# Altium PCB cyber60-mxhs.PcbDoc (part 1 of 4) (continued)
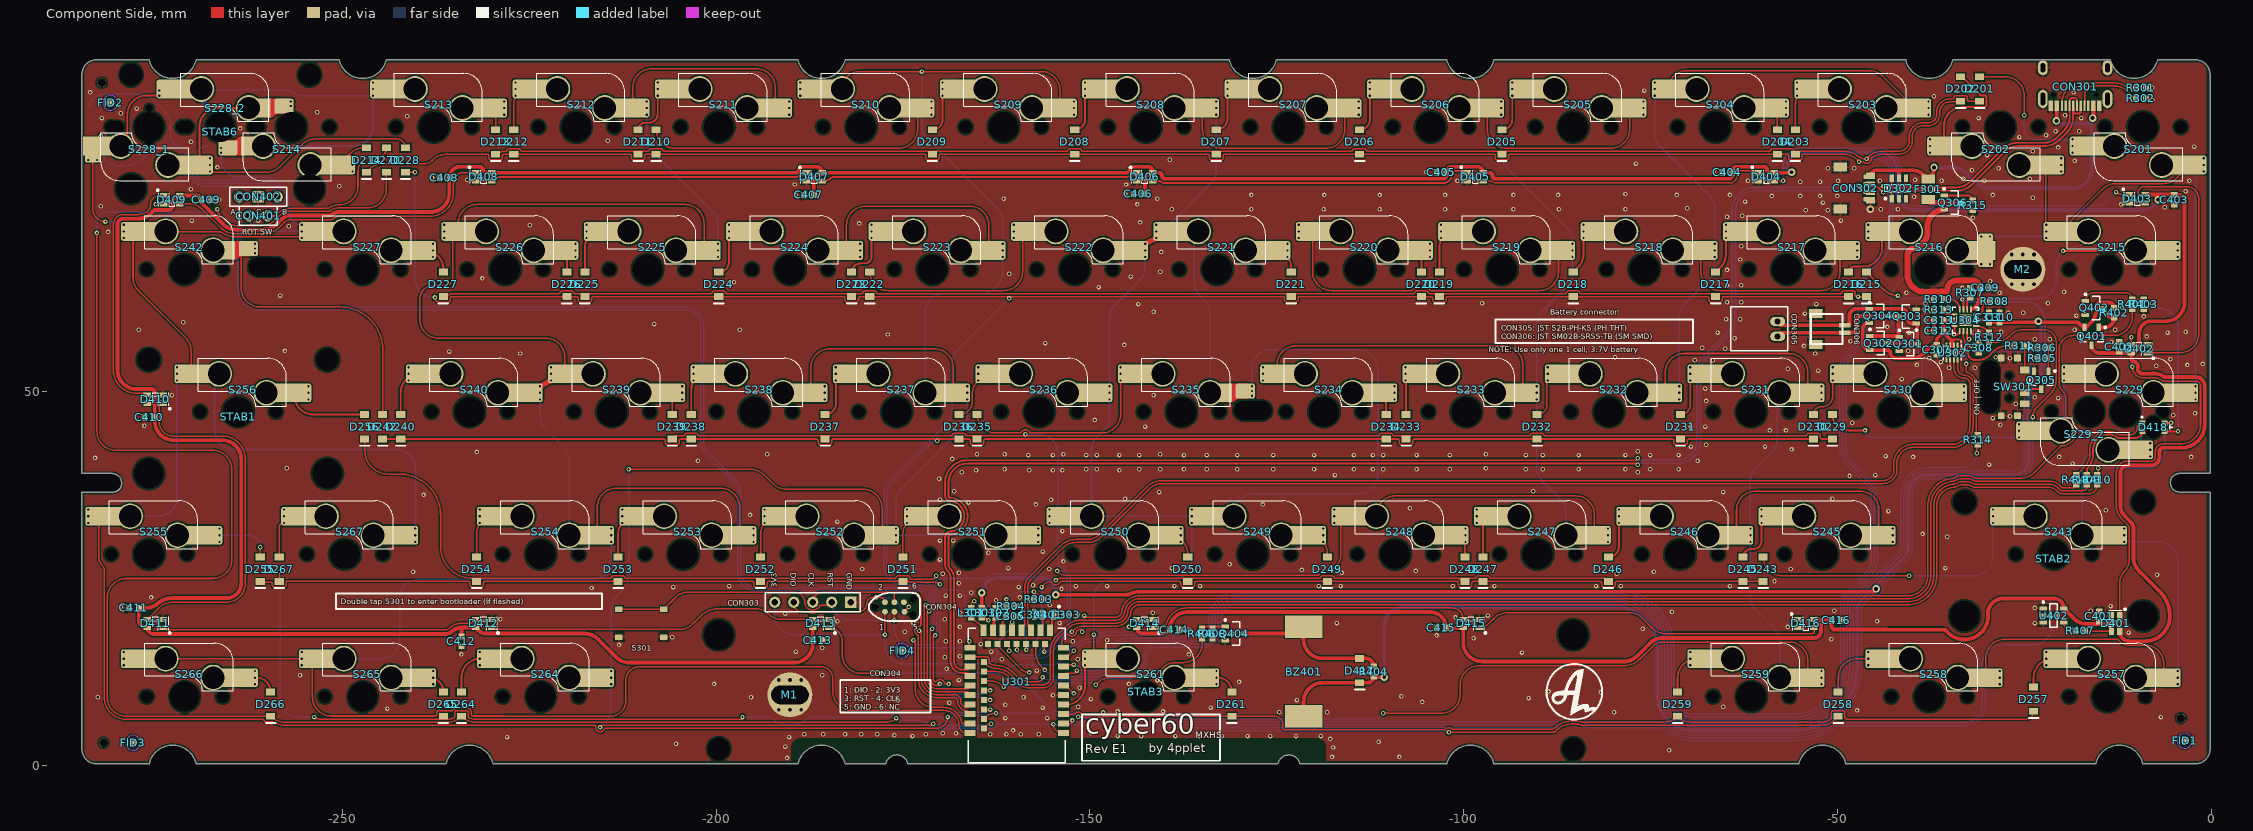
[diagram p0: Component Side view]
## Components (designator, comment, footprint, x,y, rotation, side; value= is the part's Value field where it differs from the comment) (continued)
S254 "MX" "MXHS-switch - 1U Top layer - AS2"#1 -223.463,28.265 r0 top locked
S255 "MX" "MXHS-switch - 1U Top layer - switched pol AS2"#1 -275.85,28.265 r0 top locked
S256 "MX" "MXHS-switch - 1U Top layer - switched pol AS2"#1 -263.95,47.315 r0 top locked
S257 "MX" "MXHS-switch - 1U Top layer - AS2"#1 -13.912,9.215 r0 top locked
S258 "MX" "MXHS-switch - 1U Top layer - AS2"#1 -37.719,9.215 r0 top locked
S259 "MX" "MXHS-switch - 1U Top layer - AS2"#1 -61.537,9.215 r0 top locked
S261 "MX" "MXHS-switch - 1U Top layer - AS2"#1 -142.499,9.215 r0 top locked
S264 "MX" "MXHS-switch - 1U Top layer - switched pol AS2"#1 -223.462,9.215 r0 top locked
S265 "MX" "MXHS-switch - 1U Top layer - switched pol AS2"#1 -247.269,9.215 r0 top locked
S266 "MX" "MXHS-switch - 1U Top layer - switched pol AS2"#1 -271.087,9.215 r0 top locked
S267 "MX" "MXHS-switch - 1U Top layer - AS2"#1 -249.656,28.265 r0 top locked
S301 "SW-PB" "XKB SWITCH" -210,19.05 r180 top
STAB1 "Plug" "Stab 2u" -263.95,47.315 r0 top locked
STAB2 "Plug" "Stab 2u" -21.056,28.265 r0 top locked
STAB3 "Plug" "Stab 7U" -142.499,9.215 r180 top locked
STAB6 "Plug" "Stab 2u" -266.326,85.415 r0 top locked
SW301 "Korean Hroparts Elec K3-1296S-E2" "Korean Hroparts Elec K3-1296S-E2" -27,50.65 r180 top
U301 "E73-2G4M08S1C" E73-2G4M08S1C -159.793,0.356 r0 top locked
U302 "MAX17048" 8TDFN -34.671,55.245 r180 top
U304 "BQ24075" QFN16 -32.893,59.563 r0 top
U401 "EC-11 SMD" EC11-SMD -275.844,85.415 r90 bottom
U402 "SN74LV1T125" SOT-23-5 -21.082,20.066 r270 top
X301 "XTAL" XTAL-2012 -155.575,20.193 r180 top value=32.768KHz

## Footprints (in the part's own frame and the unit in brackets; to place one, negate y for a bottom-side part, rotate by r counter-clockwise, add the part's x,y. Pads: shape width x height; smd on the part's side, far side on the other; paste and mask are expansions set on the pad)
8TDFN [mm] "Generated for the MAX17048G+T10"
  rect 0.25x0.8 smd: 1(-0.75,-0.945) 2(-0.25,-0.945) 3(0.25,-0.945) 4(0.75,-0.945) 5(0.75,0.945) 6(0.25,0.945) 7(-0.25,0.945) 8(-0.75,0.945)
  rect 1.2x0.69 smd: 9(0,0)
  silkscreen extent -1.25,-1.5 1.2,1.05, body extent -1.05,-1.1 1.05,1.1, height 0.8
"buzzer 12x12" [mm] "Buzzer"
  rect 3x5 smd: 1(-6,0) 2(6,0)
  body extent -6,-6 6,6, height 3.05
C0402[1005] [mm] "Chip Resistor, 2-Leads, Body 1,00x0,50mm, IPC Medium Density"
  rect 0.55x0.55 smd: 1(-0.45,0) 2(0.45,0)
  body extent -0.32,-0.27 0.33,0.28, height 0.5
C0603[1608] [mm] "Chip Resistor, 2-Leads, Body 1,57x0,80mm, IPC Medium Density"
  rect 0.8x0.85 smd: 1(-0.65,0) 2(0.65,0)
  body extent -0.83,-0.43 0.82,0.43, height 0.5
C1206[3216] [mm]
  rect 1.2x1.8 smd: 1(-1.35,0) 2(1.35,0)
  silkscreen extent -0.35,-0.8 0.35,0.8, body extent -1.6,-0.9 1.6,0.9, height 1.2
E73-2G4M08S1C [mm]
  rect 1.5x0.8 smd: 1(6.25,3.97) 2(6.25,5.24) 3(6.25,6.51) 4(6.25,7.78) 5(6.25,9.05) 6(6.25,10.32) 7(6.25,11.59) 8(6.25,12.86) 9(6.25,14.13) 10(6.25,15.4) 26(-6.25,15.4) 27(-6.25,14.13) 29(-6.25,12.86) 31(-6.25,11.59) 33(-6.25,10.32) 35(-6.25,9.05) 37(-6.25,7.78) 39(-6.25,6.51) 41(-6.25,5.24) 43(-6.25,3.97)
  rect 0.8x1.5 smd: 11(4.44,17.75) 13(3.17,17.75) 15(1.9,17.75) 17(0.63,17.75) 19(-0.64,17.75) 21(-1.91,17.75) 23(-3.18,17.75) 25(-4.45,17.75)
  rect 0.8x0.8 smd: 12(3.81,15.9) 14(2.54,15.9) 16(1.27,15.9) 18(0,15.9) 20(-1.27,15.9) 22(-2.54,15.9) 24(-3.81,15.9) 28(-4.4,13.495) 30(-4.4,12.225) 32(-4.4,10.955) 34(-4.4,9.685) 36(-4.4,8.415) 38(-4.4,7.145) 40(-4.4,5.875) 42(-4.4,4.605)
  silkscreen extent -6.5,0 6.5,18, body extent -6.6,0.02 6.4,18.02, height 3
EC11-SMD [mm]
  rect 1.5x2 smd: 1(-2.5,8) 2(2.5,8) A(-2.5,-8) B(2.5,-8) C(0,-8)
  rect 2.5x3 smd: M(-6.75,0)
  rect 2.5x2.2 smd: M(6.75,0.508)
  round 0 hole 1.2 unplated: ""(-2,0)
  round 0 hole 1.6 slot 2.2 at 90 deg unplated: ""(0,-4.5)
  round 0 hole 2.1 unplated: ""(0,0)
  round 0 hole 1 unplated: ""(2.5,0)
  body extent -7.5,-8.5 7.5,8.5, height 19.5
Fiducial_Nordic [mm]
  round 1 smd paste+0 mask+0.5: 0(0,0)
  Component Side keep-out circle w0.01: c0,0 r1
HDR1X2 [mm] "Connector; Header; 2 Position"
  round 1.5 hole 0.9: 1(0,0) 2(2.54,0)
  silkscreen extent -1.27,-1.27 3.81,1.27
HDR1X3 [mm] "Connector; Header; 3 Position"
  round 1.5 hole 0.9: 1(0,0) 3(5.08,0)
  rect 1.5x1.5 hole 0.9: 2(2.54,0)
  silkscreen extent -1.27,-1.27 6.35,1.27
HDR1X5 [mm] "Connector; Header; 5 Position"
  rect 1.5x1.5 hole 0.9 mask+0.102: 1(0,0)
  round 1.5 hole 0.9 mask+0.102: 2(2.54,0) 3(5.08,0) 4(7.62,0) 5(10.16,0)
  silkscreen extent -1.27,-1.27 11.43,1.27
"JST S2B-PH-K(LF)(SN)" [mm]
  oval 1.25x2 hole 0.8: 1(1,0) 2(-1,0)
  body extent -2.95,-1.35 2.95,6.25, height 4.8
"JST SM02B-SRSS-TB" [mm]
  rect 0.6x1.55 smd: 1(-0.5,0) 2(0.5,0)
  rect 1.2x1.8 smd: 3(-2.1,-3.875) 3(2.1,-3.875)
  silkscreen extent -2,-4.57 2,-0.33, body extent -1.99,-4.58 1.99,0.41, height 3
"Korean Hroparts Elec K3-1296S-E2" [mm]
  rect 1.25x0.9 smd: 1(-2.075,-2.25) 2(-2.075,0.75) 3(-2.075,2.25)
  rect 0.9x0.9 smd: M(-1.1,3.85) M(-1.1,-3.85) M(1.1,3.85) M(1.1,-3.85)
  round 0 hole 0.9 unplated: ""(0,1.5) ""(0,-1.5)
  body extent -2.2,-3.85 2.7,3.85, height 1.45
L0603[1608] [mm] "Chip Resistor, 2-Leads, Body 1,57x0,80mm, IPC Medium Density"
  rect 0.8x0.85 smd: 1(-0.65,0) 2(0.65,0)
  body extent -0.83,-0.43 0.82,0.43, height 0.5
MHT151RGBCT [mm] "For MHT151RGBCT/E6CC1205RGBC3UDA"
  rect 0.8x0.7 smd: 1(1.5,-0.55) 2(-1.5,0.55) 3(1.5,0.55) 4(-1.5,-0.55)
  round 0 hole 2.1 slot 3 at 90 deg unplated: ""(0,0)
  silkscreen extent -2.57,-1.45 1.65,0.3, body extent -1.6,-0.8 1.6,0.8, height 0.33
mounting_hole [mm]
  round 1 hole 0.5 paste+0 mask+0: 1(-1.5,-2) 1(-1.5,2) 1(0,-2) 1(0,2) 1(1.5,-2) 1(1.5,2)
  round 6 hole 2.5 slot 5 at 0 deg: 1(0,0)
"MXHS-switch - 1U Top layer - AS2"#1 [mm]
  round 0.6 hole 0.3 mask+0.102: 1(-8.15,4.191) 1(-8.15,5.08) 1(-8.15,5.969) 2(9.42,1.651) 2(9.42,2.54) 2(9.42,3.429)
  rrect25% 2.55x2.5 smd paste-40 mask+0.102: 1(-7.25,5.08) 2(8.52,2.54)
  rect 2.55x2.5 smd: 1(-6.29,5.08) 2(7.56,2.54)
  rect 2.55x2.5 smd paste-40 mask+0.102: 1(-4.318,5.08) 2(5.588,2.54)
  round 3.45 hole 3 mask+0: 1(-2.54,5.08) 2(3.81,2.54)
  round 1 hole 1.7 unplated: ""(-5.08,0) ""(5.08,0)
  round 1 hole 4 unplated: ""(0,0)
  silkscreen extent -5.32,0.76 6.48,7.16, body extent -6.6,0.85 7.9,6.75
"MXHS-switch - 1U Top layer - AS2"#2 [mm]
  round 3.45 hole 3 mask+0: 1(2.54,-5.08) 2(-3.81,-2.54)
  rect 2.55x2.5 smd paste-40 mask+0.102: 1(4.318,-5.08) 2(-5.588,-2.54)
  rect 2.55x2.5 smd: 1(6.29,-5.08) 2(-7.56,-2.54)
  rrect25% 2.55x2.5 smd paste-40 mask+0.102: 1(7.25,-5.08) 2(-8.52,-2.54)
  round 0.6 hole 0.3 mask+0.102: 1(8.15,-5.08) 1(8.15,-4.191) 1(8.15,-5.969) 2(-9.42,-3.429) 2(-9.42,-2.54) 2(-9.42,-1.651)
  round 1 hole 1.7 unplated: ""(-5.08,0)
  round 1 hole 4 unplated: ""(0,0)
  silkscreen extent -6.48,-7.16 5.32,-0.76, body extent -7.9,-6.75 6.6,-0.85
"MXHS-switch - 1U Top layer - AS2 - S1"#1 [mm]
  round 0.6 hole 0.3 mask+0.102: 1(-8.15,4.191) 1(-8.15,5.08) 1(-8.15,5.969) 2(6.971,0.68) 2(6.971,4.4) 2(8.149,0.68) 2(8.149,4.4)
  rrect25% 2.55x2.5 smd paste-40 mask+0.102: 1(-7.25,5.08)
  rect 2.55x2.5 smd: 1(-6.29,5.08) 2(7.56,2.54)
  rect 2.55x2.5 smd paste-40 mask+0.102: 1(-4.318,5.08) 2(5.588,2.54)
  round 3.45 hole 3 mask+0: 1(-2.54,5.08) 2(3.81,2.54)
  rrect25% 2x2.55 smd paste-40 mask+0.102: 2(7.56,1.58) 2(7.56,3.5)
  round 1 hole 1.7 unplated: ""(-5.08,0) ""(5.08,0)
  round 1 hole 4 unplated: ""(0,0)
  silkscreen extent -5.32,0.76 6.48,7.16, body extent -7.41,0.53 7.09,6.42
"MXHS-switch - 1U Top layer - AS2 - S1"#2 [mm]
  round 0.6 hole 0.3 mask+0.102: 1(-8.15,5.969) 1(-8.15,4.191) 1(-8.15,5.08) 2(6.971,4.4) 2(8.149,4.4)
  rrect25% 2.55x2.5 smd paste-40 mask+0.102: 1(-7.25,5.08)
  rect 2.55x2.5 smd: 1(-6.29,5.08) 2(7.56,2.54)
  rect 2.55x2.5 smd paste-40 mask+0.102: 1(-4.318,5.08) 2(5.588,2.54)
  round 3.45 hole 3 mask+0: 1(-2.54,5.08) 2(3.81,2.54)
  rrect25% 2x2.55 smd paste-40 mask+0.102: 2(7.56,3.5)
  round 1 hole 1.7 unplated: ""(-5.08,0) ""(5.08,0)
  round 1 hole 4 unplated: ""(0,0)
  silkscreen extent -5.32,0.76 6.48,7.16, body extent -7.41,0.53 7.09,6.42
"MXHS-switch - 1U Top layer - AS2 - S2"#1 [mm] "Adjusted footprint to prevent conflict with tray mount mounting hole"
  round 0.6 hole 0.3 mask+0.102: 1(-8.15,5.969) 1(-8.15,4.191) 1(-8.15,5.08) 2(9.42,2.795) 2(9.42,3.429)
  rrect25% 2.55x2.5 smd paste-40 mask+0.102: 1(-7.25,5.08)
  rect 2.55x2.5 smd: 1(-6.29,5.08)
  rect 2.55x2.5 smd paste-40 mask+0.102: 1(-4.318,5.08)
  round 3.45 hole 3 mask+0: 1(-2.54,5.08) 2(3.81,2.54)
  rect 2.3x2.492 smd paste-40 mask+0.102: 2(5.588,2.54)
  rrect25% 2.55x2 smd paste-40 mask+0.102: 2(8.52,2.78)
  round 1 hole 1.7 unplated: ""(-5.08,0) ""(5.08,0)
  round 1 hole 4 unplated: ""(0,0)
  Component Side region: 6.121,1.295 6.121,3.785 8.839,3.785 8.839,1.905 8.83,1.856 8.802,1.815 8.761,1.788 8.712,1.778 8.712,1.778 7.891,1.778 7.476,1.696 7.125,1.46 7.125,1.461 6.942,1.338 6.726,1.295 6.726,1.295
  silkscreen extent -5.32,0.76 6.48,7.16, body extent -6.6,0.85 7.9,6.75
"MXHS-switch - 1U Top layer - AS2 - S2"#2 [mm] "Adjusted footprint to prevent conflict with tray mount mounting hole"
  round 0.6 hole 0.3 mask+0.102: 1(-8.15,4.191) 2(9.42,2.795) 2(9.42,3.429)
  rrect25% 2.55x2.5 smd paste-40 mask+0.102: 1(-7.25,5.08)
  rect 2.55x2.5 smd: 1(-6.29,5.08)
  rect 2.55x2.5 smd paste-40 mask+0.102: 1(-4.318,5.08)
  round 3.45 hole 3 mask+0: 1(-2.54,5.08) 2(3.81,2.54)
  rect 2.3x2.492 smd paste-40 mask+0.102: 2(5.588,2.54)
  rrect25% 2.55x2 smd paste-40 mask+0.102: 2(8.52,2.78)
  round 1 hole 1.7 unplated: ""(-5.08,0) ""(5.08,0)
  round 1 hole 4 unplated: ""(0,0)
  Component Side region: 6.121,1.295 6.121,3.785 8.839,3.785 8.839,1.905 8.83,1.856 8.802,1.815 8.761,1.788 8.712,1.778 8.712,1.778 7.891,1.778 7.476,1.696 7.125,1.46 7.125,1.46 6.942,1.338 6.726,1.295 6.726,1.295
  silkscreen extent -5.32,0.76 6.48,7.16, body extent -6.6,0.85 7.9,6.75
"MXHS-switch - 1U Top layer - AS2 - S2"#3 [mm] "Adjusted footprint to prevent conflict with tray mount mounting hole"
  round 0.6 hole 0.3 mask+0.102: 1(-8.15,4.191) 1(-8.15,5.08) 1(-8.15,5.969) 2(9.42,2.15) 2(9.42,2.795) 2(9.42,3.429)
  rrect25% 2.55x2.5 smd paste-40 mask+0.102: 1(-7.25,5.08)
  rect 2.55x2.5 smd: 1(-6.29,5.08)
  rect 2.55x2.5 smd paste-40 mask+0.102: 1(-4.318,5.08)
  round 3.45 hole 3 mask+0: 1(-2.54,5.08) 2(3.81,2.54)
  rect 2.3x2.492 smd paste-40 mask+0.102: 2(5.588,2.54)
  rrect25% 2.55x2 smd paste-40 mask+0.102: 2(8.52,2.78)
  round 1 hole 1.7 unplated: ""(-5.08,0) ""(5.08,0)
  round 1 hole 4 unplated: ""(0,0)
  Component Side region: 6.121,1.295 6.121,3.785 8.839,3.785 8.839,1.905 8.83,1.856 8.802,1.815 8.761,1.788 8.712,1.778 8.712,1.778 7.891,1.778 7.476,1.696 7.125,1.46 7.125,1.46 6.942,1.338 6.726,1.295 6.726,1.295
  silkscreen extent -5.32,0.76 6.48,7.16, body extent -6.6,0.85 7.9,6.75
"MXHS-switch - 1U Top layer - switched pol AS2"#1 [mm]
  round 3.45 hole 3 mask+0: 1(3.81,2.54) 2(-2.54,5.08)
  rect 2.55x2.5 smd paste-40 mask+0.102: 1(5.588,2.54) 2(-4.318,5.08)
  rect 2.55x2.5 smd: 1(7.56,2.54) 2(-6.29,5.08)
  rrect25% 2.55x2.5 smd paste-40 mask+0.102: 1(8.52,2.54) 2(-7.25,5.08)
  round 0.6 hole 0.3 mask+0.102: 1(9.42,1.651) 1(9.42,2.54) 1(9.42,3.429) 2(-8.15,5.969) 2(-8.15,4.191) 2(-8.15,5.08)
  round 1 hole 1.7 unplated: ""(-5.08,0) ""(5.08,0)
  round 1 hole 4 unplated: ""(0,0)
  silkscreen extent -5.32,0.76 6.48,7.16, body extent -6.6,0.85 7.9,6.75
"MXHS-switch - 1U Top layer - switched pol AS2"#2 [mm]
  round 0.6 hole 0.3 mask+0.102: 1(-9.42,-3.429) 1(-9.42,-2.54) 1(-9.42,-1.651) 2(8.15,-5.969) 2(8.15,-5.08) 2(8.15,-4.191)
  rrect25% 2.55x2.5 smd paste-40 mask+0.102: 1(-8.52,-2.54) 2(7.25,-5.08)
  rect 2.55x2.5 smd: 1(-7.56,-2.54) 2(6.29,-5.08)
  rect 2.55x2.5 smd paste-40 mask+0.102: 1(-5.588,-2.54) 2(4.318,-5.08)
  round 3.45 hole 3 mask+0: 1(-3.81,-2.54) 2(2.54,-5.08)
  round 1 hole 1.7 unplated: ""(-5.08,0)
  round 1 hole 4 unplated: ""(0,0)
  silkscreen extent -6.48,-7.16 5.32,-0.76, body extent -7.9,-6.75 6.6,-0.85
QFN16 [mm] "Generated for BQ24075RGTR"
  oval 0.85x0.25 smd: 1(-1.45,0.75) 2(-1.45,0.25) 3(-1.45,-0.25) 4(-1.45,-0.75) 9(1.45,-0.75) 10(1.45,-0.25) 11(1.45,0.25) 12(1.45,0.75)
  oval 0.25x0.85 smd: 5(-0.75,-1.45) 6(-0.25,-1.45) 7(0.25,-1.45) 8(0.75,-1.45) 13(0.75,1.45) 14(0.25,1.45) 15(-0.25,1.45) 16(-0.75,1.45)
  rect 1.6x1.6 smd: 17(0,0)
  silkscreen extent -2.5,-1.73 1.73,1.73, body extent -1.66,-1.66 1.66,1.66, height 1
R0603[1608] [mm] "Chip Resistor, 2-Leads, Body 1,57x0,80mm, IPC Medium Density"
  rect 0.8x0.85 smd: 1(-0.65,0) 2(0.65,0)
  body extent -0.83,-0.43 0.82,0.43, height 0.5
SOD-123 [mm]
  rect 0.91x1.22 smd: 1(1.635,0) 2(-1.635,0)
  silkscreen extent -2.54,-0.64 -2.54,0.63, body extent -1.87,-0.85 1.88,0.85, height 1.2
SOT-23-3 [mm] "3.3v regulator, used in Windsond S2 proto 1"
  rect 1x0.55 smd: 1(1.2,-0.95) 2(1.2,0.95) 3(-1.2,0)
  silkscreen extent -0.7,-1.95 1.32,1.55, body extent -1.1,-1.5 1.45,1.5, height 1
SOT-23-5 [mm]
  rect 0.55x1 smd: 1(-0.95,-1.375) 2(0,-1.375) 3(0.95,-1.375) 4(0.95,1.375) 5(-0.95,1.375)
  silkscreen extent -1.92,-1.5 1.55,0.46, body extent -1.5,-1.6 1.5,1.6, height 0.92
SOT-23-6 [mm]
  rect 1x0.55 smd: 1(1.375,-0.95) 2(1.375,0) 3(1.375,0.95) 4(-1.375,0.95) 5(-1.375,0) 6(-1.375,-0.95)
  silkscreen extent -0.46,-1.92 1.5,1.55, body extent -1.47,-1.49 1.37,1.44, height 1.05
"Stab 2u" [mil]
  round 60 hole 157.01 unplated: ""(-470,-325) ""(470,-325)
  round 60 hole 120 unplated: ""(-470,275) ""(470,275)
  round 39.37 on Mech13: ""(0,0) ""(0,0)
"Stab 7U" [mil]
  round 60 hole 157.01 unplated: ""(-2250,-325) ""(2250,-325)
  round 60 hole 120 unplated: ""(-2250,275) ""(2250,275)
  round 39.37 on Mech13: ""(0,0)
TC2030-IDC-NL [mm] "Tag-Connect 6-Pin with No Legs (PN# TC2030-IDC-NL)"
  round 0.9 hole 0.995 unplated: 0(-2.54,0) 0(2.54,-1.016) 0(2.54,1.016)
  round 0.79 smd paste-0.39: 1(-1.27,-0.635) 2(-1.27,0.635) 3(0,-0.635) 4(0,0.635) 5(1.35,-0.635) 6(1.27,0.635)
  silkscreen extent -3.43,-1.91 3.43,1.9
TYPE-C-31-M-12 [mm]
  rect 0.6x1.45 smd: A1B12(-3.25,0) A4B9(-2.45,0) B1A12(3.25,0) B4A9(2.45,0)
  rect 0.3x1.45 smd: A5(-1.25,0) A6(-0.25,0) A7(0.25,0) A8(1.25,0) B5(1.75,0) B6(0.75,0) B7(-0.75,0) B8(-1.75,0)
  oval 1.3x2.4 / inner oval 1x2.1 / far side oval 1.3x2.4 hole 0.6 slot 1.7 at 90 deg: S1(-4.32,-0.915) S1(4.32,-0.915)
  oval 1.3x2 / inner oval 1x1.6 / far side oval 1.3x2 hole 0.6 slot 1.2 at 90 deg: S1(-4.32,-5.095) S1(4.32,-5.095)
  round 0 hole 0.65 unplated: ""(-2.89,-1.445) ""(2.89,-1.445)
  body extent -4.47,-7.72 4.47,0.18, height 3.21
UDB_COMBO_JST_MOLEX [mm]
  rect 0.6x1.2 smd: 1(-1.8,2.2) 2(-0.6,2.2) 3(0.6,2.2) 4(1.8,2.2)
  rect 0.6x1.55 smd: 1(-1.5,2.021) 2(-0.5,2.021) 3(0.5,2.021) 4(1.5,2.021)
  rect 0.85x1 smd: 5(-2.94,-1.887) 5(2.94,-1.887)
  rect 1.2x1.8 smd: 5(-2.8,-1.854) 5(2.8,-1.854)
  body extent -3.01,-2.62 2.99,2.33, height 2.96
"WS2812B - 2020" [mm]
  rect 1x0.7 smd: 1(1.065,0.55) 2(-1.065,0.55) 3(-1.065,-0.55) 4(1.065,-0.55)
  silkscreen extent -2.03,-0.89 0.38,1.4, body extent -1.1,-1 1.1,1, height 0.86
"XKB SWITCH" [mm] "XKB Enterprise TS-1187A-C-D-B"
  rect 1x0.75 smd: 1(-3,1.875) 1(3,1.875) 2(-3,-1.875) 2(3,-1.875)
  body extent -3.25,-2.55 3.25,2.55, height 2
XTAL-2012 [mm]
  rect 0.7x1.4 smd: 1(-0.75,0) 2(0.75,0)
  silkscreen extent -1.57,-1.19 -1.32,-0.94

## Part data
BZ401: library part Speaker, "Loudspeaker", LCSC MFG=Fengming, LCSC Part #=C409829, MRF.Part=YS-SBZ1230
C301 C307 C309 C401 C402 C403 C404 C405 C406 C407 C408 C409 C410 C411 C412 C413 C414 C415 C416: library part Cap, "Capacitor", LCSC MFG=YAGEO, LCSC Part #=C14663, MRF.Part=CC0603KRX7R9BB104, Version="0603 imperial"
  C401 C402 C403 C404 C405 C406 C407 C408 C409 C410 C411 C412 C413 C414 C415 C416: MFG=KEMET, MFGPN=C0603C104M5RACTU
C302 C311 C313: library part Cap, "Capacitor", LCSC MFG="Samsung Electro-Mechanics", LCSC Part #=C19666, MRF.Part=CL10A475KO8NNNC
  C302: Version="0603 imperial"
C303 C304: library part Cap, "Capacitor", LCSC MFG="FH (Guangdong Fenghua Advanced Tech)", LCSC Part #=C1547, MRF.Part=0402CG120J500NT, Version=0402
C305 C308 C310 C312: library part Cap, "Capacitor", LCSC MFG="Samsung Electro-Mechanics", LCSC Part #=C15849, MRF.Part=CL10A105KB8NNNC, Version="0603 imperial"
CON301: LCSC MFG="Korean Hroparts Elec", LCSC Part #=C165948, MFG="Korean Hroparts Elec", MFGPN=TYPE-C-31-M-12, MRF.Part=TYPE-C-31-M-12
CON302: "JST for USB daughter board", LCSC MFG="JST Sales America", LCSC Part #=C160404, MFG="JST Sales America Inc.", MFGPN=SM04B-SRSS-TB(LF)(SN), MRF.Part=SM04B-SRSS-TB(LF)(SN)
CON303: "Header, 5-Pin"
CON304: library part "Header 3X2", "Header, 3-Pin, Dual row"
CON305: library part "Header 2", "Header, 2-Pin", LCSC MFG="JST Sales America", LCSC Part #=C265016, MRF.Part=S2B-PH-K(LF)(SN)
CON306: library part "JST S2B-PH-SM4-TB", LCSC MFG="JST Sales America", LCSC Part #=C160402, MRF.Part=SM02B-SRSS-TB(LF)(SN)
CON401: "Header, 2-Pin"
CON402: "Header, 3-Pin"
D201 D202 D203 D204 D205 D206 D207 D208 D209 D210 D211 D212 D213 D214 D215 D216 D217 D218 D219 D220 D221 D222 D223 D224 D225 D226 D227 D228 D229 D230 D231 D232 D233 D234 D235 D236 D237 D238 D239 D240 D242 D243 D245 D246 D247 D248 D249 D250 D251 D252 D253 D254 D255 D256 D257 D258 D259 D261 D264 D265 D266 D267 D270: "Default Diode", LCSC MFG=ST(Semtech), LCSC Part #=C81598, MRF.Part=1N4148W, Version=SOD-123
D302: LCSC MFG="ProTek Devices", LCSC Part #=C85364, MRF.Part=SRV05-4-P-T7
D401 D402 D403 D404 D405 D406 D407 D408 D409 D410 D411 D412 D413 D414 D415 D416: LCSC MFG=Worldsemi, LCSC Part #=C965556, MRF.Part=WS2812C-2020
D417: library part Diode, "Default Diode", LCSC MFG="Changjiang Electronics Tech (CJ)", LCSC Part #=C8598, MRF.Part=B5819W, Version=SOD-123
D418: LCSC MFG=EKINGLUX, LCSC Part #=C2802677, MRF.Part=E6CC1205RGBC3UDA
F301: "Thermal Fuse", LCSC MFG="Shenzhen JDT Fuse", LCSC Part #=C135338, MFG="Bel Fuse Inc.", MFGPN=0ZCJ0050FF2G, MRF.Part=ASMD1206-050
L301: LCSC MFG="Taiyo Yuden", LCSC Part #=C92982, MRF.Part=CBMF1608T100K
Q301 Q303 Q305 Q402 Q404: library part MOSFET-N, "N-Channel MOSFET", LCSC MFG="Changjiang Electronics Tech (CJ)", LCSC Part #=C8545, MRF.Part=2N7002
Q302 Q304 Q306 Q401: library part PMOS-2, "P-Channel Power MOSFET", LCSC MFG="Vishay Intertech", LCSC Part #=C10487, MRF.Part=SI2301CDS-T1-GE3, Note="Pin 4 not drawn and electrically connected to Pin 2."
R301 R302: "Resistor", LCSC MFG="Uniroyal Elec", LCSC Part #=C23186, MFG="Panasonic Electronic Components", MFGPN=ERJ-3EKF5101V, MRF.Part=0603WAF5101T5E, Version="0603 imperial"
R303 R304 R306 R311 R312 R313 R314: "Resistor", LCSC MFG="Uniroyal Elec", LCSC Part #=C25804, MRF.Part=0603WAF1002T5E, Version="0603 imperial"
R305: "Resistor", LCSC MFG="UNI-ROYAL(Uniroyal Elec)", LCSC Part #=C22775, MRF.Part=0603WAF1000T5E, Version="0603 imperial"
R307: "Resistor", LCSC MFG="UNI-ROYAL(Uniroyal Elec)", LCSC Part #=C25819, MRF.Part=0603WAF4702T5E, Version="0603 imperial"
R308 R315: "Resistor", LCSC MFG="UNI-ROYAL(Uniroyal Elec)", LCSC Part #=C22843, MRF.Part=0603WAF1501T5E, Version="0603 imperial"
R310: "Resistor", LCSC MFG="UNI-ROYAL(Uniroyal Elec)", LCSC Part #=C23018, MRF.Part=0603WAF3901T5E, Version="0603 imperial"
R401 R406 R407 R409 R410 R411: "Resistor", LCSC MFG="Uniroyal Elec", LCSC Part #=C23138, MRF.Part=0603WAF3300T5E, Version="0603 imperial"
R402: "Resistor", LCSC MFG="Uniroyal Elec", LCSC Part #=C22976, MRF.Part=0603WAF2004T5E, Version="0603 imperial"
R403: "Resistor", LCSC MFG="Uniroyal Elec", LCSC Part #=C22935, MRF.Part=0603WAF1004T5E, Version="0603 imperial"
R404: "Resistor", LCSC MFG="Uniroyal Elec", LCSC Part #=C23228, MRF.Part=0603WAF6800T5E, Version="0603 imperial"
R408: "Resistor", LCSC MFG="Uniroyal Elec", LCSC Part #=C25803, MRF.Part=0603WAF1003T5E, Version="0603 imperial"
S201 S202 S203 S204 S205 S206 S207 S208 S209 S210 S211 S212 S213 S214 S216 S217 S218 S219 S220 S221 S222 S223 S224 S225 S226 S227 S228_1 S228_2 S229 S229_2 S230 S231 S232 S233 S234 S235 S236 S237 S238 S239 S240 S242 S243 S245 S246 S247 S248 S249 S250 S251 S252 S253 S254 S255 S256 S257 S258 S259 S261 S264 S265 S266 S267: library part SW-PB, "Switch", LCSC MFG=Kailh, LCSC Part #=C2803348, MRF.Part=CPG151101S11
S215: library part SW-PB, "TAB", LCSC MFG=Kailh, LCSC Part #=C2803348, MRF.Part=CPG151101S11
S301: "Switch", LCSC MFG="XKB Enterprise", LCSC Part #=C318888, MRF.Part=TS-1187A-C-D-B
SW301: LCSC MFG="Korean Hroparts Elec", LCSC Part #=C136659, MFGPN=K3-1296S-E2
U301: LCSC MFG="Chengdu Ebyte Elec Tech", LCSC Part #=C356849, MRF.Part=E73-2G4M08S1C
U302: LCSC MFG="Analog Devices Inc./Maxim Integrated", LCSC Part #=C2682616, MRF.Part=MAX17048G+T10
U304: LCSC MFG="Texas Instruments", LCSC Part #=C15464, MRF.Part=BQ24075RGTR
U401: library part EC-11
U402: "SN74LV1T125 or SN74LV1T34. Connect OE to GND", LCSC MFG="Texas Instruments", LCSC Part #=C473338, MRF.Part=SN74LV1T125DBVR, Version=SOT-23
X301: "Crystal Oscillator", LCSC MFG="Seiko Epson", LCSC Part #=C55208, MRF.Part=X1A0000610002, Version="3225, 18pF"
M1 M2: LatestRevisionDate=17-Jul-2002, LatestRevisionNote="Re-released for DXP Platform.", Publisher="Altium Limited"

## Free pads (board coordinates)
  round 1.152 hole 1.152 unplated paste+0.148 mask+0.148: ""(-282.194,91.313) ""(-281.94,3.048) ""(-4.064,6.35)
  round 0 hole 2.5 slot 5 at 0 deg unplated: ""(-260.05,66.7) ""(-128.212,47.5)
  round 0 hole 2.5 slot 7 at 90 deg unplated: ""(-29.591,50.673)

## Via types
v1: diameter 0.6, hole 0.3, Component Side to Bottom Layer, tented both sides, 594 vias
v2: diameter 1, hole 0.5, Component Side to Bottom Layer, tented both sides, 11 vias

## Nets (pads, with @x,y where several pads share a name; then routed paths per layer and width w, separated by ;. In a path a pad name is that pad's centre, name@x,y a point inside that pad or via, vN(x,y) a via of type N, cw(c..) or ccw(c..) an arc to the next point about the centre after c; other vN are vias at no path point)
BLUE: R410.2 U301.20 | length 164.1
  Component Side w0.203: U301.20@-161.063,16.256 -160.782,15.975 v1(-160.782,15.367) ; v1(-152.4,17.907) -152.125,18.182 cw(c-151.003,17.06) -151.003,18.647 -150.592,18.647 -146.58,18.647 ccw(c-146.58,20.71) -145.191,19.185 ccw(c-146.58,20.71) -144.553,20.325 ; -144.553,20.326 ccw(c-146.58,20.71) -144.521,20.583 cw(c-144.318,20.57) -144.52,20.584 cw(c-144.318,20.57) -144.514,20.623 cw(c-143.392,20.325) -143.392,21.486 -44.294,21.486 -42.221,21.486 -40.667,21.486 ccw(c-40.667,25.45) -36.703,25.45 -36.703,34.804 cw(c-34.273,34.804) -34.273,37.234 ccw(c-34.273,37.437) -34.17,37.262 cw(c-32.994,35.25) -31.818,37.262 ccw(c-31.716,37.437) -31.716,37.234 -21.796,37.234 cw(c-21.796,35.717) -20.723,36.79 -20.618,36.685 ccw(c-19.797,37.507) -20.433,36.535 ccw(c-19.797,37.507) -19.797,36.345 -16.472,36.345 ccw(c-16.472,37.577) R410.2@-15.24,37.577
  Bottom Layer w0.203: v1(-160.782,15.367) cw(c-160.782,14.662) -160.464,15.291 cw(c-160.782,14.662) -160.283,15.161 ; -160.283,15.16 -159.733,14.61 ccw(c-159.053,15.29) -159.262,14.352 ccw(c-159.053,15.29) -159.053,14.329 -156.845,14.329 ccw(c-156.845,16.421) -155.366,14.941 ; -155.365,14.942 -152.465,17.842 -152.465,17.907 v1(-152.4,17.907)
BUZZ: R406.2 U301.22 | length 33.3
  Component Side w0.203: v1(-158.115,12.446) cw(c-158.115,13.979) -159.199,12.895 -162.035,15.731 ; v1(-149.225,10.795) -148.953,11.067 cw(c-147.157,9.271) -147.157,11.811 -142.24,11.811 ccw(c-142.24,13.646) -140.942,12.349 -140.281,13.01 cw(c-138.689,11.755) -138.553,13.777 -137.541,13.777 ccw(c-137.541,16.317) -135.001,16.317 R406.2@-135.001,17.003 ; -162.035,15.731 -162.172,15.868 cw(c-161.785,16.256) U301.22@-162.333,16.256 -162.035,15.958 -162.035,15.731
  Bottom Layer w0.203: v1(-158.115,12.446) -157.295,11.626 ccw(c-155.995,12.925) -155.995,11.087 -149.93,11.087 cw(c-149.93,10.09) -149.549,11.011 cw(c-149.93,10.09) v1(-149.225,10.795)
CHG: R312.2 U301.6 | length 186.7
  Component Side w0.203: U301.6@-153.543,10.676 -153.193,10.676 -152.169,9.652 v1(-152.146,9.652) ; R312.2@-29.718,56.627 -28.88,56.627 ccw(c-28.88,59.167) -28.824,56.628 ccw(c-28.88,59.167) -27.084,57.371 -26.797,57.658 cw(c-25.264,56.125) -25.264,58.293 -22.352,58.293 cw(c-22.352,56.702) -20.761,56.702 -20.761,51.538 cw(c-23.301,51.538) -21.505,49.742 -23.337,47.91 ccw(c-22.036,46.609) v1(-23.876,46.609)
  Bottom Layer w0.203: v1(-152.146,9.652) cw(c-152.146,8.972) -151.665,9.453 ; -151.665,9.453 -148.505,6.293 cw(c-148.649,6.149) -148.502,6.289 ccw(c-147.543,7.229) -148.482,6.27 ccw(c-147.543,7.229) -148.48,6.267 ccw(c-147.543,7.229) -147.543,5.886 -90.087,5.886 cw(c-90.085,4.868) -90.085,5.886 -87.379,5.886 ccw(c-87.38,6.09) -87.286,5.909 cw(c-85.349,2.23) -83.413,5.909 ccw(c-83.319,6.09) -83.32,5.886 -73.712,5.886 cw(c-73.712,4.877) -73.013,5.604 ccw(c-69.358,9.382) -69.358,4.126 -57.15,4.126 -55.749,4.126 ccw(c-55.747,4.678) -55.746,4.126 ccw(c-55.747,4.678) -55.736,4.126 ccw(c-55.767,7.769) -55.462,4.139 cw(c-55.445,3.936) -55.457,4.139 ccw(c-55.949,13.263) -46.815,13.034 ccw(c-49.53,13.095) -46.814,13.095 -46.814,13.914 cw(c-46.611,13.913) -46.814,13.925 ccw(c-49.899,14.118) -46.808,14.118 -46.808,20.847 cw(c-44.268,20.847) -46.807,20.876 cw(c-46.604,20.872) -46.806,20.894 -46.797,20.98 cw(c-46.595,20.956) -46.796,20.987 cw(c-45.377,20.759) -46.391,21.777 ccw(c-46.779,22.169) -46.386,21.782 -45.34,22.828 cw(c-45.195,22.685) -45.122,22.875 ccw(c-44.831,23.622) -44.113,23.979 -44.138,24.03 -44.118,24.05 ccw(c-44.507,24.441) -44.116,24.052 -43.102,25.066 ; -43.101,25.067 -42.13,26.038 -40.749,27.419 ccw(c-42.545,29.215) -40.005,29.215 -40.005,35.814 cw(c-37.465,35.814) -39.974,36.21 ; -39.974,36.211 ccw(c-41.013,36.372) -39.961,36.359 ccw(c-40.513,36.366) -39.961,36.367 cw(c-37.973,36.366) -37.973,38.354 -26.416,38.354 ccw(c-26.416,40.894) -23.876,40.894 v1(-23.876,46.609)
col1: S201.2 S202.2 S215.2 S216.2 S229.2 S229_2.2 S230.2 S243.2 S257.2 S258.2 U301.2 | length 325.9
  Component Side w0.203: U301.2@-153.543,5.596 -152.646,5.596 ccw(c-152.646,5.969) v1@-152.273,5.969 ; S258.2@-30.159,11.755 -30.159,14.351 cw(c-27.619,14.351) -27.619,16.891 -12.589,16.891 cw(c-12.588,16.688) -12.426,16.811 ccw(c-10.952,17.935) -11.349,16.125 ; -22.126,72.859 ccw(c-20.712,72.859) -20.712,71.445 S215.2@-20.203,71.445 -14.541,77.107 cw(c-12.745,75.311) -12.745,77.851 -11.684,77.851 -6.396,77.851 ccw(c-6.396,80.391) -4.6,78.595 S201.2@-2.86,80.335 ; -22.126,72.936 -22.126,80.119 S202.2@-21.91,80.335 ; -11.348,16.124 ccw(c-10.952,17.935) -10.952,16.081 -8.424,16.081 cw(c-8.423,15.878) -8.382,16.077 cw(c-8.892,13.589) -6.352,13.589 S257.2@-6.352,11.755
  Bottom Layer w0.203: v1(-152.334,6.03) -152.31,6.03 cw(c-152.31,5.827) -152.111,5.865 ccw(c-152.09,6.067) -152.091,5.864 -149.467,5.864 cw(c-149.468,5.258) -149.045,5.693 cw(c-149.468,5.258) -149.043,5.691 ; -148.656,5.391 cw(c-147.543,7.229) -149.043,5.69 ccw(c-147.543,7.229) -148.594,5.355 ccw(c-147.543,7.229) -147.543,5.08 -87.169,5.08 ccw(c-87.17,5.283) -87.066,5.108 cw(c-85.349,2.23) -83.633,5.108 ccw(c-83.529,5.283) -83.53,5.08 -73.711,5.08 cw(c-73.712,4.877) -73.572,5.024 ccw(c-69.358,9.382) -69.358,3.32 -58.138,3.32 -55.751,3.32 ccw(c-55.747,4.678) -55.746,3.32 ccw(c-55.747,4.678) -55.744,3.32 ccw(c-55.747,4.678) -55.724,3.32 ccw(c-55.767,7.769) -55.408,3.334 cw(c-55.39,3.132) -55.402,3.335 ccw(c-55.949,13.263) -50.002,5.294 cw(c-49.881,5.131) -49.882,5.334 -33.147,5.334 ccw(c-33.147,8.277) -30.204,8.277 -30.204,9.861 cw(c-29.199,9.861) -29.199,10.866 S258.2@-28.299,10.866 ; S230.2@-38.678,49.855 -38.678,53.628 ccw(c-41.218,53.628) -39.422,55.424 -42.055,58.057 cw(c-40.259,59.853) -42.799,59.853 -42.799,62.448 cw(c-40.259,62.448) -42.055,64.244 -41.358,64.941 ccw(c-43.093,66.675) -40.64,66.675 -40.64,67.056 cw(c-38.1,67.056) -38.1,69.596 -34.606,69.596 cw(c-34.606,68.905) S216.2@-33.915,68.905 ; S243.2@-17.246,30.805 -17.246,39.695 cw(c-14.706,39.695) -14.706,42.235 S229_2.2@-13.754,42.235 -11.684,42.235 ccw(c-11.684,44.775) -9.144,44.775 -9.144,48.432 cw(c-7.721,48.432) S229.2@-7.721,49.855 ; S243.2@-11.636,29.916 -7.033,29.916 cw(c-7.033,27.376) -4.493,27.376 S257.2@-4.493,12.644
  Bottom Layer w0.254: S216.2@-29.576,70.765 -22.568,70.765 cw(c-22.568,70.051) S215.2@-22.063,70.556 ; S229.2@-2.111,50.744 -2.111,78.335 cw(c-1,78.335) S201.2@-1,79.446
  Bottom Layer w0.7: S230.2@-33.068,48.966 S230.2@-33.068,49.855 S230.2@-33.068,50.744 ; S216.2@-30.754,67.045 S216.2@-29.576,67.045 ; S216.2@-30.754,70.765 S216.2@-29.576,70.765 ; S258.2@-28.299,10.866 S258.2@-28.299,11.755 S258.2@-28.299,12.644 ; S215.2@-22.063,70.556 S215.2@-22.063,71.445 S215.2@-22.063,72.334 ; S202.2@-20.05,79.446 S202.2@-20.05,81.224 ; S243.2@-11.636,29.916 S243.2@-11.636,30.805 S243.2@-11.636,31.694 ; S229_2.2@-8.144,41.346 S229_2.2@-8.144,43.124 ; S257.2@-4.493,10.866 S257.2@-4.493,11.755 S257.2@-4.493,12.644 ; S229.2@-2.111,48.966 S229.2@-2.111,49.855 S229.2@-2.111,50.744 ; S201.2@-1,79.446 S201.2@-1,80.335 S201.2@-1,81.224